# KiCad board sr99-stm32-hotswap.kicad_pcb (continued)
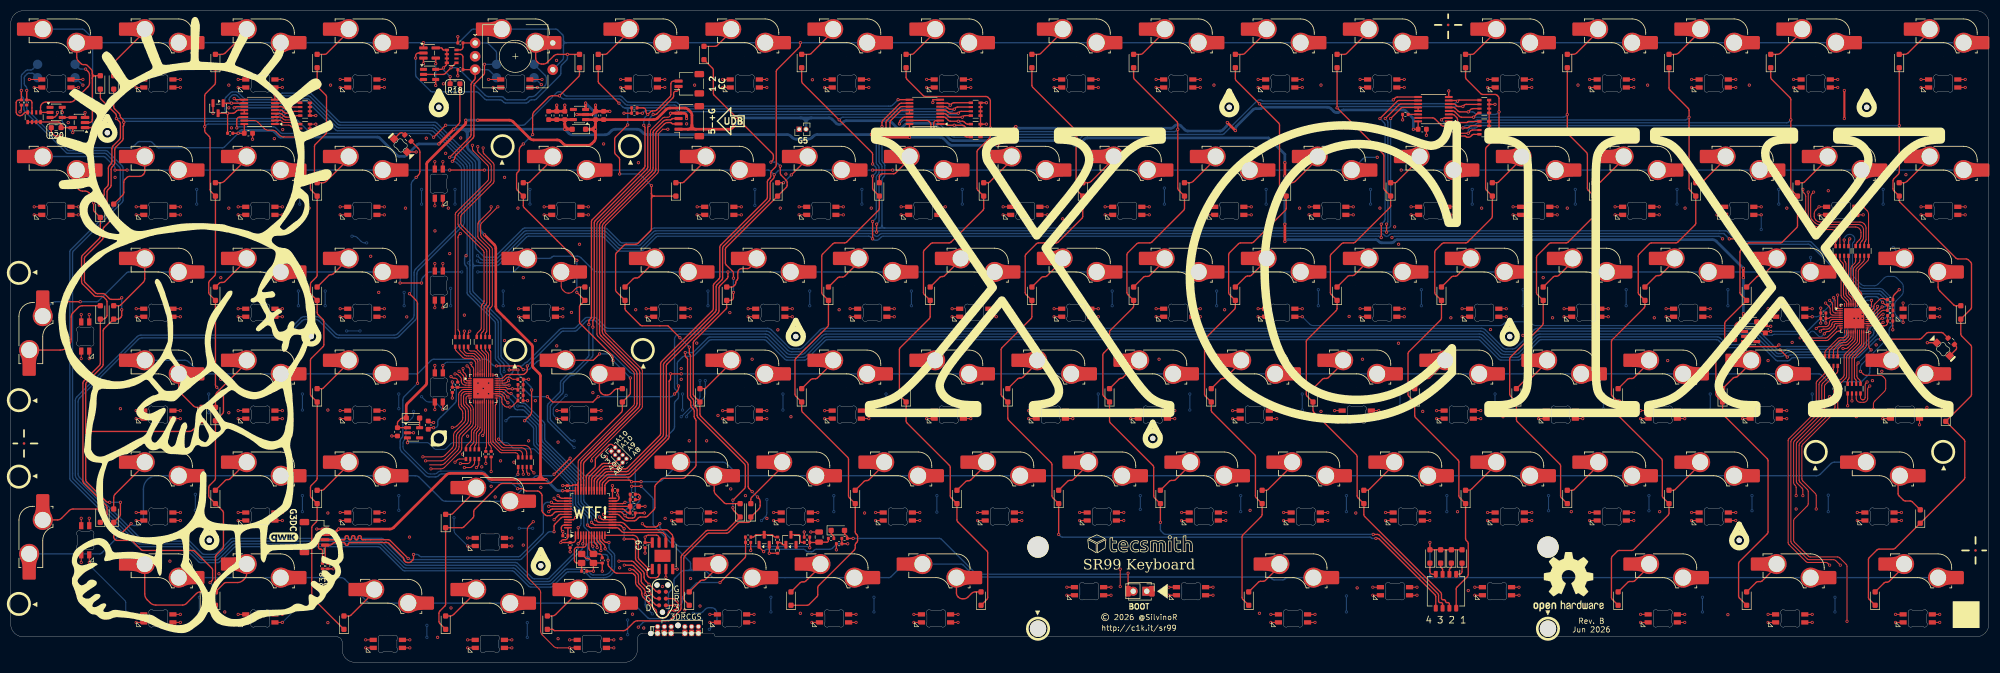
[diagram p0: board, top side]
## Routing (per net, layer and track width the routed paths; a pad name or vN(x,y) marks a point on that pad's centre or on a via; arc(x,y) is an arc through that point) (continued)
SYS_WKUP1: length 7.8
  Top w0.254: v1(109.54,21.44) 109.54,21.67 arc(109.5,21.86) 109.39,22.03 109.14,22.28 arc(109.03,22.45) 108.99,22.64 U1.8
  Bottom w0.254: TP1.1 107.74,21.88 arc(107.78,22.07) 107.89,22.24 107.94,22.29 arc(108.1,22.4) 108.3,22.44 109.01,22.44 arc(109.2,22.4) 109.37,22.29 109.39,22.26 arc(109.5,22.1) 109.54,21.91 v1(109.54,21.44)
UCPD1_CC1: length 104.8
  Top w0.254: R43.1 v1(117.99,102.66) ; 108.84,62.77 v1(108.74,62.66) 108.74,63.84 arc(108.76,63.94) 108.81,64.02 108.92,64.13 arc(108.97,64.21) 108.99,64.31 108.99,82.17 arc(109.03,82.36) 109.14,82.52 118.84,92.22 arc(118.95,92.39) 118.99,92.58 118.99,99.95 arc(119.03,100.15) 119.14,100.31 v1(119.24,100.41) ; J5.1 124.74,107.14 arc(124.63,106.87) 124.36,106.76 124.2,106.76 arc(123.93,106.65) 123.82,106.38 123.82,105.89 arc(123.78,105.69) 123.67,105.53 120.71,102.56 arc(120.54,102.45) 120.35,102.41 v1(119.99,102.41) ; v1(101.49,26.66) 102.34,27.51 arc(102.5,27.62) 102.7,27.66 U1.43
  In1.Cu w0.508: v1(105.24,41.41) 102.95,39.12 arc(102.73,38.79) 102.65,38.4 102.65,35.45 arc(102.57,35.06) 102.35,34.73 98.94,31.31 arc(98.72,30.98) 98.64,30.6 98.64,28.72 arc(98.72,28.33) 98.94,28 99.98,26.96 arc(100.31,26.74) 100.7,26.66 v1(101.49,26.66)
  Bottom w0.254: v1(108.74,62.66) 108.74,57.45 arc(108.7,57.26) 108.59,57.09 105.29,53.79 arc(105.12,53.68) 104.93,53.64 104.78,53.64 arc(104.59,53.61) 104.42,53.5 103.36,52.44 arc(103.25,52.27) 103.21,52.08 103.21,50.62 arc(103.17,50.43) 103.06,50.26 100.93,48.13 arc(100.82,47.96) 100.78,47.77 100.78,45.56 arc(100.82,45.36) 100.93,45.2 104.57,41.56 arc(104.73,41.45) 104.93,41.41 v1(105.24,41.41) ; v1(117.99,102.66) 118.31,102.99 arc(118.48,103.1) 118.67,103.14 119.48,103.14 arc(119.84,102.99) 119.99,102.63 v1(119.99,102.41) 119.54,101.96 arc(119.31,101.63) 119.24,101.24 v1(119.24,100.41)
UCPD1_CC2: length 103.5
  Top w0.254: J5.2 123.81,108.66 arc(123.45,108.51) 123.3,108.15 123.3,106.1 arc(123.26,105.91) 123.15,105.75 120.67,103.26 arc(120.5,103.15) 120.31,103.11 119.9,103.11 arc(119.7,103.07) 119.54,102.96 v1(118.99,102.41) 118.78,102.62 arc(118.67,102.79) 118.63,102.98 118.63,103.15 arc(118.48,103.51) 118.12,103.66 R42.1 ; v1(100.49,28.16) 100.84,28.51 arc(101,28.62) 101.2,28.66 U1.41 ; v1(118.24,100.41) 118.32,100.33 arc(118.43,100.16) 118.47,99.97 118.47,92.8 arc(118.43,92.61) 118.32,92.44 108.62,82.74 arc(108.51,82.58) 108.47,82.38 108.47,64.53 arc(108.45,64.43) 108.4,64.35 108.06,64.02 arc(108.01,63.94) 107.99,63.84 v1(107.99,63.16)
  In1.Cu w0.508: v1(100.49,28.16) 100.09,28.16 arc(100,28.18) 99.91,28.24 99.56,28.59 arc(99.51,28.67) 99.49,28.77 99.49,30.24 arc(99.56,30.63) 99.79,30.96 103.19,34.36 arc(103.41,34.69) 103.49,35.08 103.49,37.99 arc(103.56,38.38) 103.79,38.71 v1(105.24,40.16)
  Bottom w0.254: v1(107.99,63.16) 107.99,57.44 arc(107.95,57.24) 107.84,57.08 105.07,54.31 arc(104.91,54.2) 104.71,54.16 104.57,54.16 arc(104.37,54.12) 104.21,54.01 102.84,52.65 arc(102.73,52.48) 102.69,52.29 102.69,50.83 arc(102.65,50.63) 102.54,50.47 100.41,48.34 arc(100.3,48.17) 100.26,47.98 100.26,45.35 arc(100.3,45.15) 100.41,44.99 v1(105.24,40.16) ; v1(118.24,100.41) 118.24,101.24 arc(118.31,101.63) 118.54,101.96 v1(118.99,102.41)
VREF+: length 3.8
  Top w0.254: NT3.2 C12.2 115.45,27.91 arc(115.25,27.95) 115.09,28.06 114.64,28.51 arc(114.47,28.62) 114.28,28.66 U1.20
X30: length 10.3
  Top w0.254: REF**#13.7 113.77,36.83 arc(113.61,36.72) 113.41,36.68 110.99,36.68 arc(110.79,36.64) 110.63,36.53 108.64,34.54 arc(108.53,34.37) 108.49,34.18 108.49,32.07 ; 115.04,38.1 115.05,38.1
  Bottom w0.254: REF**#13.7 REF**#13.8
X31: length 10.5
  Top w0.254: REF**#13.5 112.87,37.34 arc(112.7,37.23) 112.51,37.19 110.75,37.19 arc(110.56,37.15) 110.39,37.04 108.14,34.78 arc(108.03,34.62) 107.99,34.42 107.99,32.07
  Bottom w0.254: REF**#13.5 REF**#13.6
X32: length 1.6
  Top w0.254: REF**#13.2 112.44,40.62
  Bottom w0.254: REF**#13.2 REF**#13.4
XF13: length 56.5
  Top w0.254: SW104.2 76.14,113.91 arc(75.78,113.76) 75.63,113.4 v1(75.63,112.96) ; D16.2 v1(103.99,113.66) 102.14,113.66 arc(101.76,113.59) 101.43,113.37 100.21,112.15 arc(99.89,111.93) 99.51,111.86 99.17,111.86 arc(98.79,111.93) 98.46,112.15 98.35,112.26 arc(98.14,112.58) 98.06,112.97 SW14.2
  Bottom w0.254: SW14.2 101.21,115.84 REF**#15.D ; v1(75.63,112.96) 75.63,109.79 arc(75.67,109.59) 75.78,109.43 78.4,106.8 arc(78.57,106.69) 78.76,106.65 87,106.65 arc(87.19,106.62) 87.36,106.51 88.55,105.31 arc(88.71,105.2) 88.91,105.16 91.42,105.16 arc(91.61,105.12) 91.78,105.01 92.07,104.72 arc(92.23,104.61) 92.43,104.57 96.29,104.57 arc(96.48,104.61) 96.65,104.72 96.94,105.01 arc(97.1,105.12) 97.3,105.16 97.82,105.16 arc(98.01,105.2) 98.18,105.31 102.6,109.74 arc(102.71,109.9) 102.75,110.1 102.75,111.31 arc(102.79,111.5) 102.9,111.66 103.84,112.6 arc(103.95,112.77) 103.99,112.96 v1(103.99,113.66)
XF17: length 20.2
  Top w0.254: SW18.2 12.33,113.15 arc(12.41,112.76) 12.63,112.44 13.17,111.89 arc(13.34,111.78) 13.53,111.75 13.94,111.75 arc(14.14,111.71) 14.3,111.6 15.09,110.81 arc(15.2,110.65) 15.24,110.45 15.24,110.17 ; 15.75,109.66 D20.2 ; 15.75,109.66 arc(15.39,109.81) 15.24,110.17 ; 15.75,109.66 arc(15.39,109.51) 15.24,109.15 ; 15.24,110.17 15.24,109.15 ; 15.24,109.15 15.24,101.42 arc(15.09,101.06) 14.73,100.91 SW105.2
~{RST}: length 57.3
  Top w0.254: R16.2 137.23,22.44 C13.2 137.26,19.89 arc(137.22,19.7) 137.11,19.53 v1(132.49,14.91) ; 118.97,11.33 119.19,11.11 ; 119.19,11.11 120.48,9.82 arc(120.59,9.65) 120.63,9.46 120.63,9.17 arc(120.67,8.98) 120.78,8.81 121.15,8.44 arc(121.32,8.33) 121.51,8.29 121.97,8.29 arc(122.17,8.33) 122.33,8.44 122.67,8.78 arc(122.78,8.94) 122.82,9.14 122.82,9.22 arc(122.85,9.38) 122.94,9.51 122.98,9.55 arc(123.11,9.63) 123.26,9.66 v1(123.99,9.66) 124.54,10.21 arc(124.65,10.38) 124.69,10.57 124.69,10.82 arc(124.65,11.02) 124.54,11.18 123.96,11.76 arc(123.79,11.87) 123.6,11.91 J3.3 ; 119.19,11.11 118.17,12.13 arc(117.95,12.46) 117.87,12.85 117.87,12.98 arc(117.79,13.37) 117.57,13.7 117.02,14.25 arc(116.8,14.58) 116.72,14.97 116.72,15.93 arc(116.68,16.12) 116.57,16.29 116.35,16.51 arc(116.19,16.62) 115.99,16.66 113.2,16.66 arc(113.01,16.7) 112.84,16.81 111.72,17.93 arc(111.61,18.09) 111.57,18.29 v1(111.57,19.08) ; v1(108.72,21.7) 108.64,21.78 arc(108.53,21.95) 108.49,22.14 U1.7
  In1.Cu w0.508: v1(123.99,9.66) 123.67,9.34 arc(123.44,9.01) 123.37,8.62 REF**#12.3 J6.3
  Bottom w0.254: v1(132.49,14.91) 128.39,14.91 arc(128.19,14.87) 128.03,14.76 125.56,12.3 arc(125.45,12.14) 125.41,11.94 125.41,11.3 arc(125.38,11.11) 125.27,10.94 v1(123.99,9.66) ; v1(108.72,21.7) 108.72,21.44 arc(108.76,21.25) 108.87,21.08 109.64,20.31 arc(109.81,20.2) 110,20.16 111.03,20.16 arc(111.22,20.12) 111.39,20.01 111.42,19.98 arc(111.53,19.81) 111.57,19.62 v1(111.57,19.08)
Net-(D1-K): length 1.7
  Top w0.254: D1.1 153.24,24.18 arc(153.26,24.08) 153.31,24 153.67,23.64 arc(153.73,23.55) 153.75,23.46 R8.1
Net-(D3-A): length 7.8
  Top w0.254: D3.2 353.72,113.66 arc(354.1,113.74) 354.43,113.96 358.12,117.64 arc(358.33,117.97) 358.41,118.35 SW1.1
Net-(D4-A): length 8
  Top w0.254: D4.2 329.91,113.66 arc(330.29,113.74) 330.62,113.96 334.3,117.64 arc(334.52,117.97) 334.6,118.35 SW2.1
Net-(D5-A): length 7.9
  Top w0.254: D5.2 310.86,113.66 arc(311.24,113.74) 311.57,113.96 315.25,117.64 arc(315.47,117.97) 315.55,118.35 SW3.1
Net-(D6-A): length 7.9
  Top w0.254: D6.2 291.81,113.66 arc(292.19,113.74) 292.52,113.96 296.2,117.64 arc(296.42,117.97) 296.5,118.35 SW4.1
Net-(D7-A): length 7.9
  Top w0.254: D7.2 272.96,113.66 arc(273.16,113.7) 273.32,113.81 277.15,117.64 arc(277.37,117.97) 277.45,118.35 SW5.1
Net-(D8-A): length 8
  Top w0.254: D8.2 249.15,113.66 arc(249.35,113.7) 249.51,113.81 253.34,117.64 arc(253.56,117.97) 253.63,118.35 SW6.1
Net-(D9-A): length 8
  Top w0.254: D9.2 230.1,113.66 arc(230.3,113.7) 230.46,113.81 234.29,117.64 arc(234.51,117.97) 234.59,118.35 SW7.1
Net-(D10-A): length 7.9
  Top w0.254: D10.2 211.05,113.66 arc(211.25,113.7) 211.41,113.81 215.24,117.64 arc(215.46,117.97) 215.54,118.35 SW8.1
Net-(D11-A): length 7.9
  Top w0.254: D11.2 192,113.66 arc(192.2,113.7) 192.36,113.81 196.19,117.64 arc(196.41,117.97) 196.49,118.35 SW9.1
Net-(D12-A): length 7.6
  Top w0.254: SW10.1 172.67,118.26 arc(172.6,117.88) 172.38,117.55 168.64,113.81 arc(168.47,113.7) 168.28,113.66 D12.2
Net-(D13-A): length 8
  Top w0.254: 153.62,118.38 153.62,118.35 arc(153.55,117.97) 153.33,117.64 149.5,113.81 arc(149.33,113.7) 149.14,113.66 D13.2
Net-(D14-A): length 6.6
  Top w0.254: D14.2 131.59,115.16 arc(131.78,115.2) 131.95,115.31 134.28,117.64 arc(134.5,117.97) 134.57,118.35 SW12.1
Net-(D15-A): length 7.9
  Top w0.254: D15.2 111.04,113.66 arc(111.23,113.7) 111.4,113.81 115.23,117.64 arc(115.45,117.97) 115.52,118.35 SW13.1
Net-(D17-A): length 8
  Top w0.254: D17.2 58.65,113.66 arc(58.85,113.7) 59.01,113.81 62.84,117.64 arc(63.06,117.97) 63.13,118.35 SW15.1
Net-(D18-A): length 8
  Top w0.254: SW16.1 44.08,118.35 arc(44.01,117.97) 43.79,117.64 40.1,113.96 arc(39.78,113.74) 39.4,113.66 D18.2
Net-(D19-A): length 11
  Top w0.254: D19.2 19.24,111.72 arc(19.31,112.11) 19.53,112.43 24.74,117.64 arc(24.96,117.97) 25.04,118.35 SW17.1
Net-(D21-A): length 8.6
  Top w0.254: D21.2 353.53,89.66 arc(353.92,89.74) 354.24,89.96 358.12,93.83 arc(358.33,94.16) 358.41,94.54 SW19.1 358.41,93.83
Net-(D22-A): length 7.8
  Top w0.254: D22.2 334.69,89.66 arc(334.88,89.7) 335.05,89.81 339.07,93.83 arc(339.28,94.16) 339.36,94.54 SW20.1
Net-(D23-A): length 7.8
  Top w0.254: D23.2 315.64,89.66 arc(315.83,89.7) 316,89.81 320.02,93.83 arc(320.23,94.16) 320.31,94.54 SW21.1
Net-(D24-A): length 7.7
  Top w0.254: SW22.1 301.26,94.54 arc(301.18,94.16) 300.97,93.83 296.95,89.81 arc(296.78,89.7) 296.59,89.66 D24.2
Net-(D25-A): length 7.7
  Top w0.254: D25.2 277.54,89.66 arc(277.73,89.7) 277.9,89.81 281.92,93.83 arc(282.13,94.16) 282.21,94.54 SW23.1
Net-(D26-A): length 7.7
  Top w0.254: D26.2 258.52,89.66 arc(258.72,89.7) 258.88,89.81 262.87,93.8 262.87,93.83 arc(263.08,94.16) 263.16,94.54 SW24.1
Net-(D27-A): length 8.1
  Top w0.254: SW25.1 244.11,94.54 arc(244.03,94.16) 243.82,93.83 239.94,89.96 arc(239.62,89.74) 239.23,89.66 D27.2
Net-(D28-A): length 8
  Top w0.254: SW26.1 225.06,94.54 arc(224.98,94.16) 224.77,93.83 220.89,89.96 arc(220.57,89.74) 220.18,89.66 D28.2
Net-(D29-A): length 8
  Top w0.254: D29.2 201.13,89.66 arc(201.52,89.74) 201.84,89.96 205.72,93.83 arc(205.93,94.16) 206.01,94.54 SW27.1
Net-(D30-A): length 7.6
  Top w0.254: SW28.1 186.96,93.91 182.86,89.81 arc(182.7,89.7) 182.5,89.66 D30.2
Net-(D31-A): length 8.7
  Top w0.254: SW29.1 167.91,94.54 arc(167.83,94.16) 167.62,93.83 165.26,91.48 arc(165.1,91.37) 164.9,91.33 162.75,91.33 arc(162.39,91.18) 162.24,90.82 D31.2
Net-(D32-A): length 7.9
  Top w0.254: D32.2 v1(144.34,89.66) ; SW30.1 148.86,94.19 v1(145.8,91.12)
  Bottom w0.254: v1(144.34,89.66) v1(145.8,91.12)
Net-(D33-A): length 8
  Top w0.254: SW31.1 129.81,93.86 125.76,89.81 arc(125.59,89.7) 125.4,89.66 D33.2
Net-(D34-A): length 7.8
  Top w0.254: SW32.1 101.23,94.08 96.96,89.81 arc(96.8,89.7) 96.6,89.66 D34.2
Net-(D35-A): length 8.1
  Top w0.254: SW33.1 63.13,94.54 arc(63.06,94.16) 62.84,93.83 58.97,89.96 arc(58.64,89.74) 58.26,89.66 D35.2
Net-(D36-A): length 8.1
  Top w0.254: SW34.1 44.08,94.54 arc(44.01,94.16) 43.79,93.83 39.92,89.96 arc(39.59,89.74) 39.21,89.66 D36.2
Net-(D37-A): length 12.6
  Top w0.254: D37.2 20.9,87.33 arc(21.07,87.58) 21.13,87.87 21.13,89.77 arc(21.19,90.06) 21.35,90.31 21.67,90.62 arc(21.92,90.79) 22.21,90.85 24.1,90.85 arc(24.39,90.91) 24.64,91.07 24.81,91.24 arc(24.98,91.49) 25.04,91.78 SW35.1
Net-(D38-A): length 8.8
  Top w0.254: SW36.2 12.33,89.19 arc(12.41,88.81) 12.63,88.49 12.72,88.4 arc(13.04,88.18) 13.43,88.1 13.88,88.1 arc(14.27,88.03) 14.59,87.81 D38.2
Net-(D39-A): length 8.7
  Top w0.254: 360,72.98 360,70.16 arc(360.07,69.77) 360.29,69.45 362.93,66.81 arc(363.09,66.7) 363.29,66.66 D39.2
Net-(D40-A): length 8.1
  Top w0.254: SW38.1 329.84,74.95 327.31,72.42 arc(327.14,72.31) 326.95,72.27 326.56,72.27 arc(326.36,72.23) 326.2,72.12 D40.2
Net-(D41-A): length 8
  Top w0.254: D41.2 307.23,72.16 arc(307.4,72.27) 307.59,72.3 307.84,72.3 arc(308.04,72.34) 308.2,72.45 310.79,75.04 SW39.1
Net-(D42-A): length 8
  Top w0.254: SW40.1 291.74,74.94 289.14,72.34 arc(288.97,72.23) 288.78,72.19 288.47,72.19 arc(288.28,72.15) 288.12,72.04 D42.2
Net-(D43-A): length 8
  Top w0.254: D43.2 269.11,72.03 arc(269.27,72.14) 269.46,72.18 269.85,72.18 arc(270.04,72.22) 270.21,72.33 272.69,74.8 SW41.1
Net-(D44-A): length 8.3
  Top w0.254: D44.2 249.73,72.16 arc(249.9,72.27) 250.09,72.3 250.64,72.3 arc(250.83,72.34) 251,72.45 253.63,75.09 SW42.1
Net-(D45-A): length 8.2
  Top w0.254: D45.2 230.65,72.07 arc(230.81,72.18) 231.01,72.22 231.38,72.22 arc(231.58,72.26) 231.74,72.37 234.59,75.21 SW43.1
Net-(D46-A): length 8.2
  Top w0.254: D46.2 211.57,72 arc(211.74,72.11) 211.93,72.15 212.36,72.15 arc(212.56,72.19) 212.72,72.3 215.54,75.11 SW44.1
Net-(D47-A): length 8.1
  Top w0.254: SW45.1 196.49,75.17 193.56,72.24 arc(193.39,72.13) 193.2,72.1 192.88,72.1 arc(192.69,72.06) 192.52,71.95 D47.2
Net-(D48-A): length 8
  Top w0.254: D48.2 173.54,71.97 arc(173.71,72.08) 173.9,72.12 174.06,72.12 arc(174.26,72.15) 174.42,72.26 177.44,75.28 SW46.1
Net-(D49-A): length 8.2
  Top w0.254: SW47.1 158.39,74.8 155.76,72.18 arc(155.6,72.07) 155.4,72.03 154.82,72.03 arc(154.62,71.99) 154.46,71.88 D49.2
Net-(D50-A): length 9.1
  Top w0.254: SW48.1 139.34,75.49 arc(139.26,75.11) 139.04,74.78 138.09,73.83 arc(137.84,73.66) 137.55,73.61 136.57,73.61 arc(136.03,73.38) 135.8,72.84 135.8,71.82 arc(135.77,71.63) 135.66,71.46 135.57,71.38 arc(135.46,71.22) 135.42,71.02 135.42,70.92 arc(135.39,70.73) 135.28,70.56 135.02,70.31 arc(134.86,70.2) 134.66,70.16 D50.2
Net-(D51-A): length 8
  Top w0.254: D51.2 116.29,71.72 arc(116.46,71.83) 116.65,71.86 116.98,71.86 arc(117.17,71.9) 117.34,72.01 120.29,74.96 SW49.1
Net-(D52-A): length 8.3
  Top w0.2: D52.2 106.23,70.16 arc(105.85,70.09) 105.52,69.87 104.97,69.32 arc(104.64,69.1) 104.26,69.02 104.12,69.02 arc(103.73,69.1) 103.41,69.32 103.12,69.61 arc(102.9,69.94) 102.82,70.32 102.82,72.98
  Bottom w0.254: 102.82,72.98 102.82,73.11
Net-(D53-A): length 8.1
  Top w0.254: SW51.1 60.26,72.64 arc(60.09,72.53) 59.9,72.49 59.77,72.49 arc(59.58,72.45) 59.42,72.34 D53.2
Net-(D54-A): length 8.2
  Top w0.254: SW52.1 44.08,75.26 39.99,71.17 arc(39.83,71.06) 39.63,71.02 39.31,71.02 arc(39.11,70.98) 38.95,70.87 D54.2
Net-(D55-A): length 11.9
  Top w0.254: SW53.1 25.04,71.73 arc(24.96,71.34) 24.74,71.02 20.53,66.81 arc(20.37,66.7) 20.18,66.66 D55.2
Net-(D56-A): length 19.7
  Top w0.254: D56.2 13.36,66.66 arc(12.97,66.59) 12.64,66.36 11.59,65.31 arc(11.37,64.98) 11.29,64.6 11.29,60.4 arc(10.7,58.97) 9.26,58.37 SW54.1
Net-(D57-K): length 3.2
  Top w0.254: D57.1 265.08,16.97 arc(265.23,16.61) 265.59,16.46 SW71.4 266.18,16.72
Net-(D58-K): length 2.2
  Top w0.254: D58.1 267.08,17.92 arc(267.1,17.83) 267.16,17.74 267.37,17.53 arc(267.43,17.45) 267.45,17.35 SW71.3
Net-(D59-K): length 2.2
  Top w0.254: D59.1 269.08,17.86 arc(269.06,17.76) 269.01,17.68 268.79,17.47 arc(268.74,17.38) 268.72,17.29 SW71.2
Net-(D60-K): length 3.2
  Top w0.254: D60.1 271.08,16.97 arc(270.93,16.61) 270.57,16.46 SW71.1 269.99,16.71
Net-(D61-A): length 9.2
  Top w0.254: D61.2 359.51,49.48 arc(359.34,49.59) 359.15,49.62 358.07,49.62 arc(357.87,49.66) 357.71,49.77 357.21,50.27 arc(357.1,50.43) 357.06,50.63 357.06,53.17 arc(357.1,53.36) 357.21,53.52 SW55.2
Net-(D62-A): length 7.8
  Top w0.254: D62.2 321.7,53.12 arc(321.86,53.23) 322.06,53.27 322.14,53.27 arc(322.34,53.31) 322.5,53.42 325.07,55.99 SW56.1
Net-(D63-A): length 8.2
  Top w0.254: SW57.1 306.02,56.05 303.18,53.21 arc(303.02,53.1) 302.82,53.06 302.34,53.06 arc(302.15,53.02) 301.98,52.91 D63.2
Net-(D64-A): length 8.1
  Top w0.254: 286.97,56.47 286.97,56.15 284.06,53.23 arc(283.89,53.12) 283.7,53.08 283.37,53.08 arc(283.17,53.04) 283.01,52.93 D64.2
Net-(D65-A): length 8.1
  Top w0.254: SW59.1 267.92,56.04 265.08,53.2 arc(264.92,53.09) 264.72,53.05 264.34,53.05 arc(264.14,53.01) 263.98,52.9 D65.2
Net-(D66-A): length 8.1
  Top w0.254: D66.2 245,52.93 arc(245.17,53.04) 245.36,53.07 245.75,53.07 arc(245.95,53.11) 246.11,53.22 248.87,55.98 SW60.1
Net-(D67-A): length 7.9
  Top w0.254: D67.2 225.98,52.91 arc(226.15,53.02) 226.34,53.06 226.52,53.06 arc(226.72,53.1) 226.88,53.21 229.82,56.15 SW61.1
Net-(D68-A): length 7.8
  Top w0.254: SW62.1 210.77,56.28 207.73,53.24 arc(207.57,53.13) 207.38,53.09 arc(207.18,53.05) 207.02,52.94 D68.2
Net-(D69-A): length 7.9
  Top w0.254: SW63.1 191.72,55.98 189.04,53.3 arc(188.88,53.19) 188.68,53.15 188.43,53.15 arc(188.24,53.11) 188.07,53 D69.2
Net-(D70-A): length 8
  Top w0.254: D70.2 169.02,52.94 arc(169.18,53.05) 169.38,53.09 169.75,53.09 arc(169.94,53.13) 170.11,53.24 172.67,55.8 SW64.1
Net-(D71-A): length 8.3
  Top w0.254: 153.62,56.47 153.62,56.11 150.68,53.16 arc(150.51,53.05) 150.32,53.01 149.79,53.01 arc(149.6,52.97) 149.44,52.86 D71.2
Net-(D72-A): length 8.2
  Top w0.254: SW66.1 134.57,56.44 arc(134.5,56.06) 134.28,55.73 129.79,51.24 arc(129.7,51.18) 129.61,51.16 D72.2
Net-(D73-A): length 8.2
  Top w0.254: SW67.2 109.97,51.06 arc(110.04,50.68) 110.26,50.36 110.35,50.26 arc(110.68,50.05) 111.06,49.97 111.41,49.97 arc(111.79,50.05) 112.12,50.26 112.72,50.87 arc(113.05,51.09) 113.43,51.16 D73.2
Net-(D74-A): length 8.3
  Top w0.254: D74.2 58.17,51.16 arc(58.27,51.18) 58.35,51.24 62.84,55.73 arc(63.06,56.06) 63.13,56.44 SW68.1
Net-(D75-A): length 11.1
  Top w0.254: D75.2 38.24,49.76 arc(38.31,50.14) 38.53,50.47 43.79,55.73 arc(44.01,56.06) 44.08,56.44 SW69.1
Net-(D76-A): length 8.8
  Top w0.254: SW70.2 31.39,51.1 arc(31.46,50.72) 31.68,50.4 34.12,47.96 arc(34.44,47.74) 34.83,47.66 D76.2
Net-(D77-A): length 8.9
  Top w0.254: D77.2 355.16,30.01 arc(354.99,30.12) 354.8,30.16 353.87,30.16 arc(353.67,30.2) 353.51,30.31 352.68,31.15 arc(352.57,31.31) 352.53,31.5 352.53,34.34 arc(352.57,34.53) 352.68,34.7 SW72.2
Net-(D78-A): length 8.2
  Top w0.254: D78.2 310.53,32.16 arc(310.72,32.2) 310.89,32.31 315.25,36.68 arc(315.47,37.01) 315.55,37.39 315.55,37.42
Net-(D79-A): length 8.3
  Top w0.254: 296.5,37.42 296.5,36.77 292.04,32.31 arc(291.88,32.2) 291.68,32.16 D79.2
Net-(D80-A): length 8.1
  Top w0.254: D80.2 272.22,32.16 arc(272.6,32.24) 272.93,32.46 277.15,36.68 arc(277.37,37.01) 277.45,37.39 277.45,37.42
Net-(D81-A): length 8
  Top w0.254: D81.2 253.17,32.16 arc(253.55,32.24) 253.88,32.46 258.1,36.68 arc(258.32,37.01) 258.4,37.39 258.4,37.42
Net-(D82-A): length 8.1
  Top w0.254: D82.2 234.49,32.16 arc(234.69,32.2) 234.85,32.31 239.35,36.8 239.35,37.42
Net-(D83-A): length 8
  Top w0.254: 220.3,37.42 220.3,36.87 217.58,34.15 arc(217.41,34.04) 217.22,34.01 216.79,34.01 arc(216.6,33.97) 216.43,33.86 D83.2
Net-(D84-A): length 7.9
  Top w0.254: 201.25,37.42 201.25,37.39 arc(201.17,37.01) 200.95,36.68 198.44,34.16 arc(198.27,34.05) 198.08,34.01 197.8,34.01 arc(197.6,33.98) 197.44,33.87 D84.2
Net-(D85-A): length 7.8
  Top w0.254: 182.2,37.42 182.2,37.39 arc(182.12,37.01) 181.9,36.68 179.32,34.1 arc(179.15,33.98) 178.96,33.95 178.73,33.95 arc(178.54,33.91) 178.37,33.8 D85.2
Net-(D86-A): length 7.8
  Top w0.254: D86.2 159.4,33.83 arc(159.57,33.94) 159.76,33.98 159.94,33.98 arc(160.13,34.01) 160.3,34.12 162.85,36.68 arc(163.07,37.01) 163.15,37.39 163.15,37.42
Net-(D87-A): length 10.1
  Top w0.254: D87.2 138.24,30.47 arc(138.28,30.67) 138.39,30.83 143.8,36.25 arc(144.02,36.57) 144.1,36.96 144.1,37.42
Net-(D88-A): length 8.8
  Top w0.254: SW83.2 131.4,32.1 arc(131.47,31.72) 131.69,31.39 133.27,29.81 arc(133.44,29.7) 133.63,29.66 D88.2
Net-(D89-A): length 8
  Top w0.254: D89.2 82.19,27.66 arc(82.38,27.7) 82.55,27.81 86.65,31.92 arc(86.87,32.24) 86.95,32.63 SW84.1
Net-(D90-A): length 8.3
  Top w0.254: 63.13,37.42 63.13,37.39 arc(63.06,37.01) 62.84,36.68 58.47,32.31 arc(58.31,32.2) 58.11,32.16 D90.2
Net-(D91-A): length 8
  Top w0.254: 44.08,37.42 40.98,34.31 arc(40.81,34.2) 40.62,34.16 40.45,34.16 arc(40.25,34.12) 40.09,34.01 D91.2
Net-(D92-A): length 11.1
  Top w0.254: 25.04,37.42 25.04,37.39 arc(24.96,37.01) 24.74,36.68 19.53,31.47 arc(19.31,31.14) 19.24,30.76 D92.2
Net-(D93-A): length 11.5
  Top w0.254: D93.2 11.64,28.66 arc(11.26,28.59) 10.93,28.37 9.48,26.92 arc(9.16,26.7) 8.77,26.62 SW88.2
Net-(D94-A): length 7.7
  Top w0.254: D94.2 349.9,14.82 arc(350.06,14.93) 350.26,14.97 350.49,14.97 arc(350.68,15.01) 350.85,15.12 353.35,17.63 arc(353.57,17.96) 353.65,18.34 SW89.1
Net-(D95-A): length 7.9
  Top w0.254: SW90.1 329.84,18.34 arc(329.76,17.96) 329.54,17.63 327.15,15.24 arc(326.99,15.13) 326.79,15.09 326.38,15.09 arc(326.18,15.05) 326.02,14.94 D95.2
Net-(D96-A): length 8.1
  Top w0.254: D96.2 302.03,14.96 arc(302.2,15.07) 302.39,15.11 303,15.11 arc(303.19,15.15) 303.35,15.26 305.73,17.63 arc(305.95,17.96) 306.02,18.34 SW91.1
Net-(D97-A): length 8.1
  Top w0.254: D97.2 233.07,15 arc(233.24,15.11) 233.43,15.15 233.98,15.15 arc(234.17,15.18) 234.34,15.29 236.67,17.63 arc(236.89,17.96) 236.97,18.34 SW92.1
Net-(D98-A): length 8.5
  Top w0.254: SW93.2 176.64,12.97 arc(176.72,12.59) 176.93,12.26 177.02,12.17 arc(177.35,11.96) 177.73,11.88 178.06,11.88 arc(178.44,11.96) 178.76,12.17 179.46,12.87 arc(179.79,13.09) 180.17,13.16 D98.2
Net-(D99-A): length 7.8
  Top w0.254: SW94.1 151.24,18.34 arc(151.17,17.96) 150.95,17.63 148.51,15.19 arc(148.34,15.08) 148.15,15.04 147.83,15.04 arc(147.63,15) 147.47,14.89 D99.2
Net-(D100-A): length 7.8
  Top w0.254: SW95.1 132.19,18.34 arc(132.12,17.96) 131.9,17.63 129.77,15.5 arc(129.61,15.39) 129.41,15.36 129.14,15.36 arc(128.95,15.32) 128.78,15.21 D100.2
Net-(D101-A): length 8
  Top w0.254: SW96.1 106,13.58 arc(105.92,13.19) 105.7,12.87 101.79,8.96 arc(101.47,8.74) 101.08,8.66 D101.2
Net-(D102-A): length 7.9
  Top w0.254: D102.2 82.03,8.66 arc(82.42,8.74) 82.74,8.96 86.65,12.87 arc(86.87,13.19) 86.95,13.58 SW97.1
Net-(D103-A): length 7.9
  Top w0.254: D103.2 63.19,8.66 arc(63.38,8.7) 63.55,8.81 67.6,12.87 arc(67.82,13.19) 67.9,13.58 SW98.1
Net-(D104-A): length 9.2
  Top w0.254: SW99.1 44.08,16.64 arc(43.97,16.06) 43.64,15.56 43.43,15.36 arc(42.94,15.03) 42.36,14.91 40.2,14.91 arc(40,14.87) 39.84,14.76 D104.2
Net-(D105-A): length 18.8
  Top w0.254: D105.2 35.41,13.16 arc(35.02,13.09) 34.69,12.86 32.82,11 arc(32.49,10.78) 32.11,10.7 27.12,10.7 arc(26.53,10.82) 26.04,11.15 25.48,11.71 arc(25.15,12.2) 25.04,12.78 SW100.1
Net-(D108-A): length 2.8
  Top w0.254: D108.2 363.31,58.45 arc(363.46,58.81) 363.31,59.17 R39.1
Net-(D109-A): length 2.6
  Top w0.254: R40.1 73.34,98.87 arc(72.98,99.02) 72.62,98.87 D109.2
Net-(ENC1-PadE): length 32.9
  Top w0.254: R17.1 83.16,112.09 v1(82.24,111.16) 81.14,110.06 arc(80.97,109.95) 80.78,109.91 U7.2
  Bottom w0.254: ENC1.E 99.77,109.78 arc(99.99,109.45) 100.07,109.06 100.07,108.49 arc(99.99,108.1) 99.77,107.77 98.06,106.06 arc(97.73,105.84) 97.34,105.76 97.05,105.76 arc(96.86,105.73) 96.69,105.62 96.39,105.31 arc(96.22,105.2) 96.03,105.16 92.7,105.16 arc(92.5,105.2) 92.34,105.31 92.03,105.62 arc(91.87,105.73) 91.68,105.76 89.29,105.76 arc(88.9,105.84) 88.57,106.06 83.77,110.86 arc(83.44,111.09) 83.05,111.16 v1(82.24,111.16)
Net-(ENC2-PadE): length 19.2
  Top w0.254: U8.2 R19.1 5.57,103.73 arc(5.87,104.45) 6.59,104.75 11.15,104.75 arc(11.54,104.82) 11.87,105.04 14.43,107.6 arc(14.65,107.93) 14.72,108.32 14.72,109.76 arc(14.65,110.15) 14.43,110.47 v1(13.99,110.91)
  Bottom w0.254: v1(13.99,110.91) 13.12,110.91 arc(12.93,110.95) 12.76,111.06 ENC2.E
Net-(Q2-D): length 3.7
  Top w0.254: R10.1 147.7,22.41 arc(147.52,22.49) 147.45,22.67 147.45,23.6 arc(147.38,23.78) 147.2,23.85 Q2.3
Net-(Q2-G): length 2.7
  Top w0.254: R14.2 R12.1 143.69,22.4 arc(143.79,22.38) 143.87,22.33 144.15,22.05 arc(144.23,21.99) 144.33,21.97 Q2.1
Net-(Q3-D): length 5.3
  Top w0.254: R16.1 138.64,23.41 arc(138.73,23.43) 138.82,23.49 139.11,23.78 arc(139.19,23.83) 139.29,23.85 Q3.3 142.13,23.85 arc(142.23,23.83) 142.31,23.78 142.59,23.5 arc(142.67,23.44) 142.77,23.42 R12.2
Net-(Q3-G): length 20.3
  Top w0.254: R13.2 R15.2 v1(156.34,22.16) ; v1(140.63,20.69) 139.79,21.54 Q3.1
  Bottom w0.254: v1(156.34,22.16) 154.63,22.16 arc(154.34,22.1) 154.09,21.94 153.5,21.35 arc(153.26,21.18) 152.96,21.13 150.45,21.13 arc(150.25,21.09) 150.09,20.98 149.92,20.81 arc(149.76,20.7) 149.56,20.66 148.95,20.66 arc(148.75,20.7) 148.59,20.81 148.42,20.98 arc(148.26,21.09) 148.06,21.13 141.28,21.13 arc(141.09,21.09) 140.92,20.98 v1(140.63,20.69)
Net-(SW104-E): length 6.2
  Top w0.254: SW104.4 v1(79.39,111.91) ; U7.4 v1(79.38,107.85)
  Bottom w0.254: v1(79.38,107.85) 79.39,107.86 v1(79.39,111.91)
Net-(SW105-E): length 2
  Top w0.254: U8.4 SW105.4
Net-(U2-A): length 13
  Top w0.254: R4.8 273.3,98.71 arc(273.1,98.67) 272.94,98.56 272.69,98.31 arc(272.52,98.2) 272.33,98.17 272.05,98.17 arc(271.95,98.18) 271.87,98.24 271.79,98.32 arc(271.7,98.38) 271.61,98.39 270.24,98.39 arc(270.04,98.43) 269.88,98.54 268.31,100.11 arc(268.15,100.22) 267.96,100.26 267.57,100.26 arc(267.38,100.29) 267.21,100.4 265.98,101.64 arc(265.81,101.75) 265.62,101.79 U2.15
Net-(U2-SA): length 1.9
  Top w0.254: R41.1 U2.14
Net-(U3-A): length 13.2
  Top w0.254: R5.8 178.65,98.21 arc(178.45,98.25) 178.29,98.36 177.83,98.82 arc(177.66,98.93) 177.47,98.97 172.83,98.97 arc(172.64,99.01) 172.47,99.12 172.01,99.58 arc(171.9,99.75) 171.87,99.94 171.87,100.57 arc(171.83,100.77) 171.72,100.93 171.51,101.14 arc(171.35,101.25) 171.15,101.29 U3.15
Net-(U4-A): length 11.6
  Top w0.2: U4.15 45.44,101.29 arc(45.83,101.21) 46.16,100.99 47.38,99.77 arc(47.71,99.55) 48.1,99.48 48.89,99.48 arc(49.28,99.4) 49.61,99.18 50.28,98.51 arc(50.61,98.29) 51,98.21 R6.8
Net-(U4-B): length 5.3
  Top w0.2: R6.7 53.99,99.01 arc(53.6,99.09) 53.27,99.31 52.29,100.29 arc(52.13,100.4) 51.93,100.44 50.78,100.44 arc(50.68,100.46) 50.6,100.52 50.55,100.56 arc(50.47,100.62) 50.37,100.64 U4.1
Net-(U4-C): length 5.2
  Top w0.2: U4.2 50.3,101.29 arc(50.49,101.25) 50.66,101.14 50.72,101.08 arc(50.88,100.97) 51.08,100.93 52.13,100.93 arc(52.32,100.89) 52.49,100.78 53.16,100.11 arc(53.48,99.89) 53.87,99.81 R6.6
Net-(U4-D): length 5.2
  Top w0.2: U4.3 50.31,101.94 arc(50.5,101.9) 50.67,101.79 50.9,101.55 arc(51.07,101.44) 51.26,101.4 52.32,101.4 arc(52.52,101.36) 52.68,101.25 53.02,100.91 arc(53.35,100.69) 53.74,100.61 R6.5
Net-(U9-CS1): length 10
  Top w0.2: U9.39 342.93,67.07 arc(342.89,67.26) 342.78,67.43 342.03,68.17 arc(341.92,68.34) 341.88,68.53 341.88,74.09 arc(341.84,74.28) 341.73,74.45 341,75.18 arc(340.89,75.34) 340.86,75.54 R26.1
Net-(U9-CS2): length 9.8
  Top w0.2: R26.2 341.66,75.4 arc(341.69,75.21) 341.8,75.04 342.19,74.66 arc(342.3,74.49) 342.34,74.3 342.34,68.72 arc(342.38,68.53) 342.49,68.36 343.18,67.67 arc(343.29,67.51) 343.32,67.31 U9.38
Net-(U9-CS3): length 9.7
  Top w0.2: U9.37 343.73,67.56 arc(343.69,67.76) 343.58,67.92 342.95,68.55 arc(342.84,68.72) 342.8,68.91 342.8,74.49 arc(342.76,74.68) 342.65,74.85 342.6,74.89 arc(342.49,75.06) 342.45,75.25 R26.3
Net-(U9-CS4): length 9.5
  Top w0.2: U9.36 344.12,67.81 arc(344.09,68.01) 343.98,68.17 343.4,68.75 arc(343.29,68.91) 343.25,69.11 R26.4
Net-(U9-CS5): length 9.8
  Top w0.2: U9.35 344.53,68.07 arc(344.49,68.27) 344.38,68.43 343.87,68.94 arc(343.76,69.11) 343.72,69.3 343.72,73.59 arc(343.78,73.88) 343.94,74.13 344.38,74.57 arc(344.55,74.82) 344.61,75.11 R25.1
Net-(U9-CS6): length 10
  Top w0.2: U9.34 344.93,68.33 arc(344.89,68.53) 344.78,68.69 344.33,69.14 arc(344.22,69.3) 344.18,69.5 344.18,73.49 arc(344.22,73.68) 344.33,73.85 345.26,74.78 arc(345.37,74.94) 345.41,75.14 R25.2
Net-(U9-CS7): length 10.1
  Top w0.2: R25.3 346.21,75.29 arc(346.17,75.09) 346.06,74.93 344.79,73.66 arc(344.68,73.5) 344.64,73.3 344.64,69.69 arc(344.68,69.49) 344.79,69.33 345.18,68.94 arc(345.29,68.78) 345.32,68.58 U9.33
Net-(U9-CS8): length 10.2
  Top w0.2: U9.32 345.73,68.83 arc(345.69,69.02) 345.58,69.19 345.25,69.52 arc(345.14,69.68) 345.1,69.88 345.1,73.11 arc(345.14,73.31) 345.25,73.47 346.86,75.08 arc(346.97,75.25) 347.01,75.44 R25.4
Net-(U9-CS9): length 18.1
  Top w0.2: v1(345.05,55.97) 344.98,55.91 arc(344.87,55.74) 344.84,55.55 344.84,53.51 arc(344.87,53.31) 344.98,53.15 345.36,52.77 arc(345.47,52.61) 345.5,52.41 R24.1 ; v1(347.49,58.41) 347.2,58.7 arc(347.09,58.86) 347.05,59.06 347.05,61.27 arc(347.09,61.46) 347.2,61.63 v1(347.24,61.66) ; U9.31 346.78,66.79 v1(346.79,66.79)
  Bottom w0.2: v1(347.24,61.66) 347.24,62.22 arc(347.28,62.41) 347.39,62.58 347.98,63.17 arc(348.09,63.33) 348.13,63.53 348.13,65.9 arc(348.09,66.09) 347.98,66.25 347.6,66.64 arc(347.43,66.75) 347.24,66.79 v1(346.79,66.79) ; v1(345.05,55.97) v1(347.49,58.41)
Net-(U9-CS10): length 11.5
  Top w0.2: R24.2 344.7,52.64 arc(344.69,52.73) 344.63,52.82 344.44,53 arc(344.39,53.09) 344.37,53.18 344.37,56.59 arc(344.41,56.78) 344.52,56.95 346.44,58.87 arc(346.55,59.04) 346.59,59.23 346.59,61.91 arc(346.61,62.01) 346.67,62.09 346.73,62.15 arc(346.78,62.24) 346.8,62.33 U9.21
Net-(U9-CS11): length 10.7
  Top w0.2: 346.12,61.84 346.12,59.41 arc(346.09,59.22) 345.98,59.05 344.05,57.13 arc(343.94,56.97) 343.91,56.77 R24.3
Net-(U9-CS12): length 10.8
  Top w0.2: 345.73,61.84 345.73,59.66 arc(345.69,59.46) 345.58,59.3 343.51,57.23 arc(343.4,57.07) 343.36,56.87 343.36,53.16 arc(343.34,53.07) 343.29,52.98 343.18,52.88 arc(343.12,52.79) 343.11,52.7 R24.4
Net-(U9-CS13): length 11.6
  Top w0.2: R23.1 341.74,51.92 arc(341.78,52.11) 341.89,52.27 342.76,53.15 arc(342.87,53.31) 342.91,53.5 342.91,57.06 arc(342.94,57.26) 343.05,57.42 345.18,59.54 arc(345.29,59.71) 345.32,59.9 345.32,61.84
Net-(U9-CS14): length 12.2
  Top w0.2: R22.1 340.74,52.25 arc(340.89,52.61) 341.25,52.76 341.5,52.76 arc(341.69,52.8) 341.86,52.91 342.3,53.35 arc(342.41,53.52) 342.45,53.71 342.45,57.25 arc(342.49,57.44) 342.6,57.61 344.78,59.79 arc(344.89,59.95) 344.93,60.15 344.93,61.84
Net-(U9-CS15): length 6.3
  Top w0.2: 344.12,61.84 344.12,60.66 arc(344.09,60.46) 343.98,60.3 343.14,59.46 arc(342.97,59.35) 342.78,59.31 342.2,59.31 arc(342.01,59.27) 341.84,59.16 341.4,58.72 arc(341.29,58.56) 341.25,58.37 R21.1
Net-(U9-CS16): length 6.5
  Top w0.2: 343.73,61.84 343.73,60.9 arc(343.69,60.7) 343.58,60.54 342.96,59.92 arc(342.79,59.81) 342.6,59.77 342.01,59.77 arc(341.81,59.73) 341.65,59.62 340.6,58.58 arc(340.49,58.41) 340.45,58.22 R21.2
Net-(U9-CS17): length 6.6
  Top w0.2: 343.32,61.84 343.32,61.15 arc(343.29,60.95) 343.18,60.79 342.77,60.38 arc(342.61,60.27) 342.41,60.23 341.82,60.23 arc(341.63,60.2) 341.46,60.08 339.8,58.43 arc(339.69,58.26) 339.66,58.07 R21.3
Net-(U9-CS18): length 6.8
  Top w0.2: R21.4 338.86,57.91 arc(338.89,58.11) 339,58.27 341.27,60.54 arc(341.44,60.65) 341.63,60.69 342.23,60.69 arc(342.43,60.73) 342.59,60.84 342.78,61.02 arc(342.89,61.19) 342.93,61.38 342.93,61.84
Net-(U9-ISET): length 5
  Top w0.2: R34.2 350.25,67.81 arc(350.15,67.83) 350.07,67.89 350.02,67.94 arc(349.93,67.99) 349.84,68.01 349.42,68.01 arc(349.22,67.97) 349.06,67.86 348.17,66.97 arc(348.06,66.81) 348.02,66.61 348.02,66.45 arc(347.98,66.25) 347.87,66.09 347.64,65.86 arc(347.48,65.75) 347.28,65.71 U9.29
Net-(U10-CS1): length 7.7
  Top w0.2: U10.39 86.86,55.95 arc(86.82,56.15) 86.71,56.31 86.34,56.68 arc(86.18,56.79) 85.99,56.83 84.83,56.83 arc(84.64,56.87) 84.47,56.98 83.19,58.26 arc(83.08,58.43) 83.04,58.62 R32.1
Net-(U10-CS2): length 7.5
  Top w0.2: U10.38 87.26,56.2 arc(87.22,56.39) 87.11,56.56 86.54,57.14 arc(86.37,57.25) 86.18,57.28 85.18,57.28 arc(84.98,57.32) 84.82,57.43 83.99,58.26 arc(83.88,58.43) 83.84,58.62 R32.2
Net-(U10-CS3): length 7.3
  Top w0.2: 87.66,53.69 87.66,56.45 arc(87.62,56.64) 87.51,56.81 86.72,57.6 arc(86.55,57.71) 86.36,57.75 85.36,57.75 arc(85.16,57.79) 85,57.9 84.79,58.11 arc(84.68,58.27) 84.64,58.47 R32.3
Net-(U10-CS4): length 6.9
  Top w0.2: R32.4 85.44,58.71 arc(85.59,58.35) 85.95,58.2 86.56,58.2 arc(86.75,58.16) 86.92,58.05 87.91,57.06 arc(88.02,56.89) 88.06,56.7 U10.36
Net-(U10-CS5): length 5.9
  Top w0.2: 88.46,53.69 88.46,56.96 arc(88.42,57.15) 88.31,57.32 87.19,58.45 arc(87.08,58.61) 87.04,58.81 R31.1
Net-(U10-CS6): length 5.7
  Top w0.2: U10.34 88.86,57.23 arc(88.82,57.43) 88.71,57.59 87.99,58.32 arc(87.88,58.48) 87.84,58.68 R31.2
Net-(U10-CS7): length 5.5
  Top w0.2: U10.33 89.26,57.48 arc(89.22,57.68) 89.11,57.84 88.79,58.17 arc(88.68,58.33) 88.64,58.53 R31.3
Net-(U10-CS8): length 5.4
  Top w0.2: R31.4 89.44,58.47 arc(89.46,58.37) 89.51,58.29 89.59,58.21 arc(89.64,58.13) 89.66,58.03 89.66,53.69
Net-(U10-CS9): length 21.1
  Top w0.2: R30.1 97.19,39.3 arc(96.82,40.2) 95.92,40.57 92.49,40.57 arc(92.3,40.61) 92.13,40.72 v1(91.12,41.72) ; v1(90.73,53.69) 90.73,53.69 U10.31
  Bottom w0.2: v1(90.73,53.69) 91.18,53.24 arc(91.29,53.07) 91.33,52.88 91.33,42.14 arc(91.29,41.94) 91.18,41.78 v1(91.12,41.72)
Net-(U10-CS10): length 15.8
  Top w0.2: R30.2 96.39,39.09 arc(96.09,39.81) 95.37,40.11 92.09,40.11 arc(91.9,40.15) 91.73,40.26 90.67,41.32 arc(90.56,41.48) 90.52,41.68 90.52,47.98 arc(90.54,48.08) 90.6,48.16 90.66,48.23 arc(90.72,48.31) 90.74,48.41 U10.21
Net-(U10-CS11): length 14.6
  Top w0.2: 90.06,48.74 90.06,41.36 arc(90.08,41.27) 90.14,41.18 91.53,39.79 arc(91.7,39.68) 91.89,39.64 94.83,39.64 arc(95.36,39.42) 95.59,38.88 95.59,38.31 ; R30.3 95.59,38.31
Net-(U10-CS12): length 14.2
  Top w0.2: 89.66,48.74 89.66,41.22 arc(89.7,41.02) 89.81,40.86 91.34,39.33 arc(91.5,39.22) 91.7,39.18 94.28,39.18 arc(94.64,39.03) 94.79,38.67 R30.4
Net-(U10-CS13): length 9.5
  Top w0.2: R29.1 89.74,40.06 arc(89.7,40.25) 89.59,40.42 89.41,40.59 arc(89.3,40.76) 89.26,40.95 89.26,48.74
Net-(U10-CS14): length 9.4
  Top w0.2: 88.86,48.74 88.86,40.26 arc(88.85,40.2) 88.82,40.15 88.78,40.11 arc(88.75,40.07) 88.74,40.01 R28.1
Net-(U10-CS15): length 9.1
  Top w0.2: 88.06,48.74 88.06,43.45 arc(88.02,43.25) 87.91,43.09 87.59,42.76 arc(87.48,42.6) 87.44,42.4 R27.1
Net-(U10-CS16): length 9.3
  Top w0.2: R27.2 86.64,40.3 arc(86.68,40.49) 86.79,40.66 86.82,40.69 arc(86.93,40.86) 86.97,41.05 86.97,42.75 arc(87.01,42.94) 87.12,43.11 87.51,43.5 arc(87.62,43.67) 87.66,43.86 87.66,48.74
Net-(U10-CS17): length 9.4
  Top w0.2: R27.3 85.84,40.16 arc(85.88,40.35) 85.99,40.52 86.36,40.89 arc(86.47,41.06) 86.51,41.25 86.51,42.94 arc(86.55,43.13) 86.66,43.3 87.11,43.75 arc(87.22,43.92) 87.26,44.11 87.26,48.74
Net-(U10-CS18): length 9.6
  Top w0.2: R27.4 85.04,40.24 arc(85.08,40.44) 85.19,40.6 85.89,41.31 arc(86,41.47) 86.04,41.67 86.04,43.13 arc(86.08,43.32) 86.19,43.49 86.71,44.01 arc(86.82,44.17) 86.86,44.37 86.86,48.74
Net-(U10-ISET): length 4.4
  Top w0.2: R36.2 93.88,52.91 arc(93.68,52.95) 93.52,53.06 93.4,53.18 arc(93.24,53.29) 93.04,53.33 92.96,53.33 arc(92.77,53.29) 92.6,53.18 92.19,52.76 arc(92.02,52.65) 91.83,52.61 U10.29

## Copper pours and planes (outline as drawn; the poured copper is in the pictures)
GND on Top, Bottom: -2.76,124.41 371.24,124.41 371.24,3.41 118.24,3.41 118.24,-1.59 60.24,-1.59 60.24,3.41 -1.76,3.41
GND on In1.Cu, In2.Cu: -2.26,123.91 -1.26,3.91 60.74,3.91 60.74,-1.09 117.74,-1.09 117.74,3.91 370.74,3.91 370.74,123.91
GNDA on Top: 113.24,27.91 114.49,26.66 116.74,26.66 117.99,27.91 117.99,31.16 116.99,32.16 115.49,32.16 114.99,31.66 114.99,29.91 114.49,29.41 113.74,29.41 113.24,28.91
(no net) on Bottom: 124.24,56.41 126.74,58.66 124.24,61.16
(no net) on Bottom: 172.99,101.66 174.99,99.66 176.99,101.66

Small or netless copper shapes (teardrops, artwork), in the pictures only: 1485 on Top, 570 on Bottom, 446 on In1.Cu, 508 on In2.Cu

## Text on the board
B.Silkscreen: BOOT | SGC  ~{R}D3
F.Silkscreen: G / 3 / A9 / A8 | A10 / A10 / A9 / A8 | 3D~{R}CGS | © 2026 @SilvinoR | http://c1k.it/sr99 | Rev. B / Jun 2026 | G5 | BOOT | S     G / C     ~{R} / D     3 | 5-+G | 1 2 / CC | G3DC | UDB | 4 3 2 1 | WTF! | SR99 Keyboard
